# KiCad board goose_reversible_pcb_routed.kicad_pcb
title: goose; rev: v1.0.0; company: Unknown
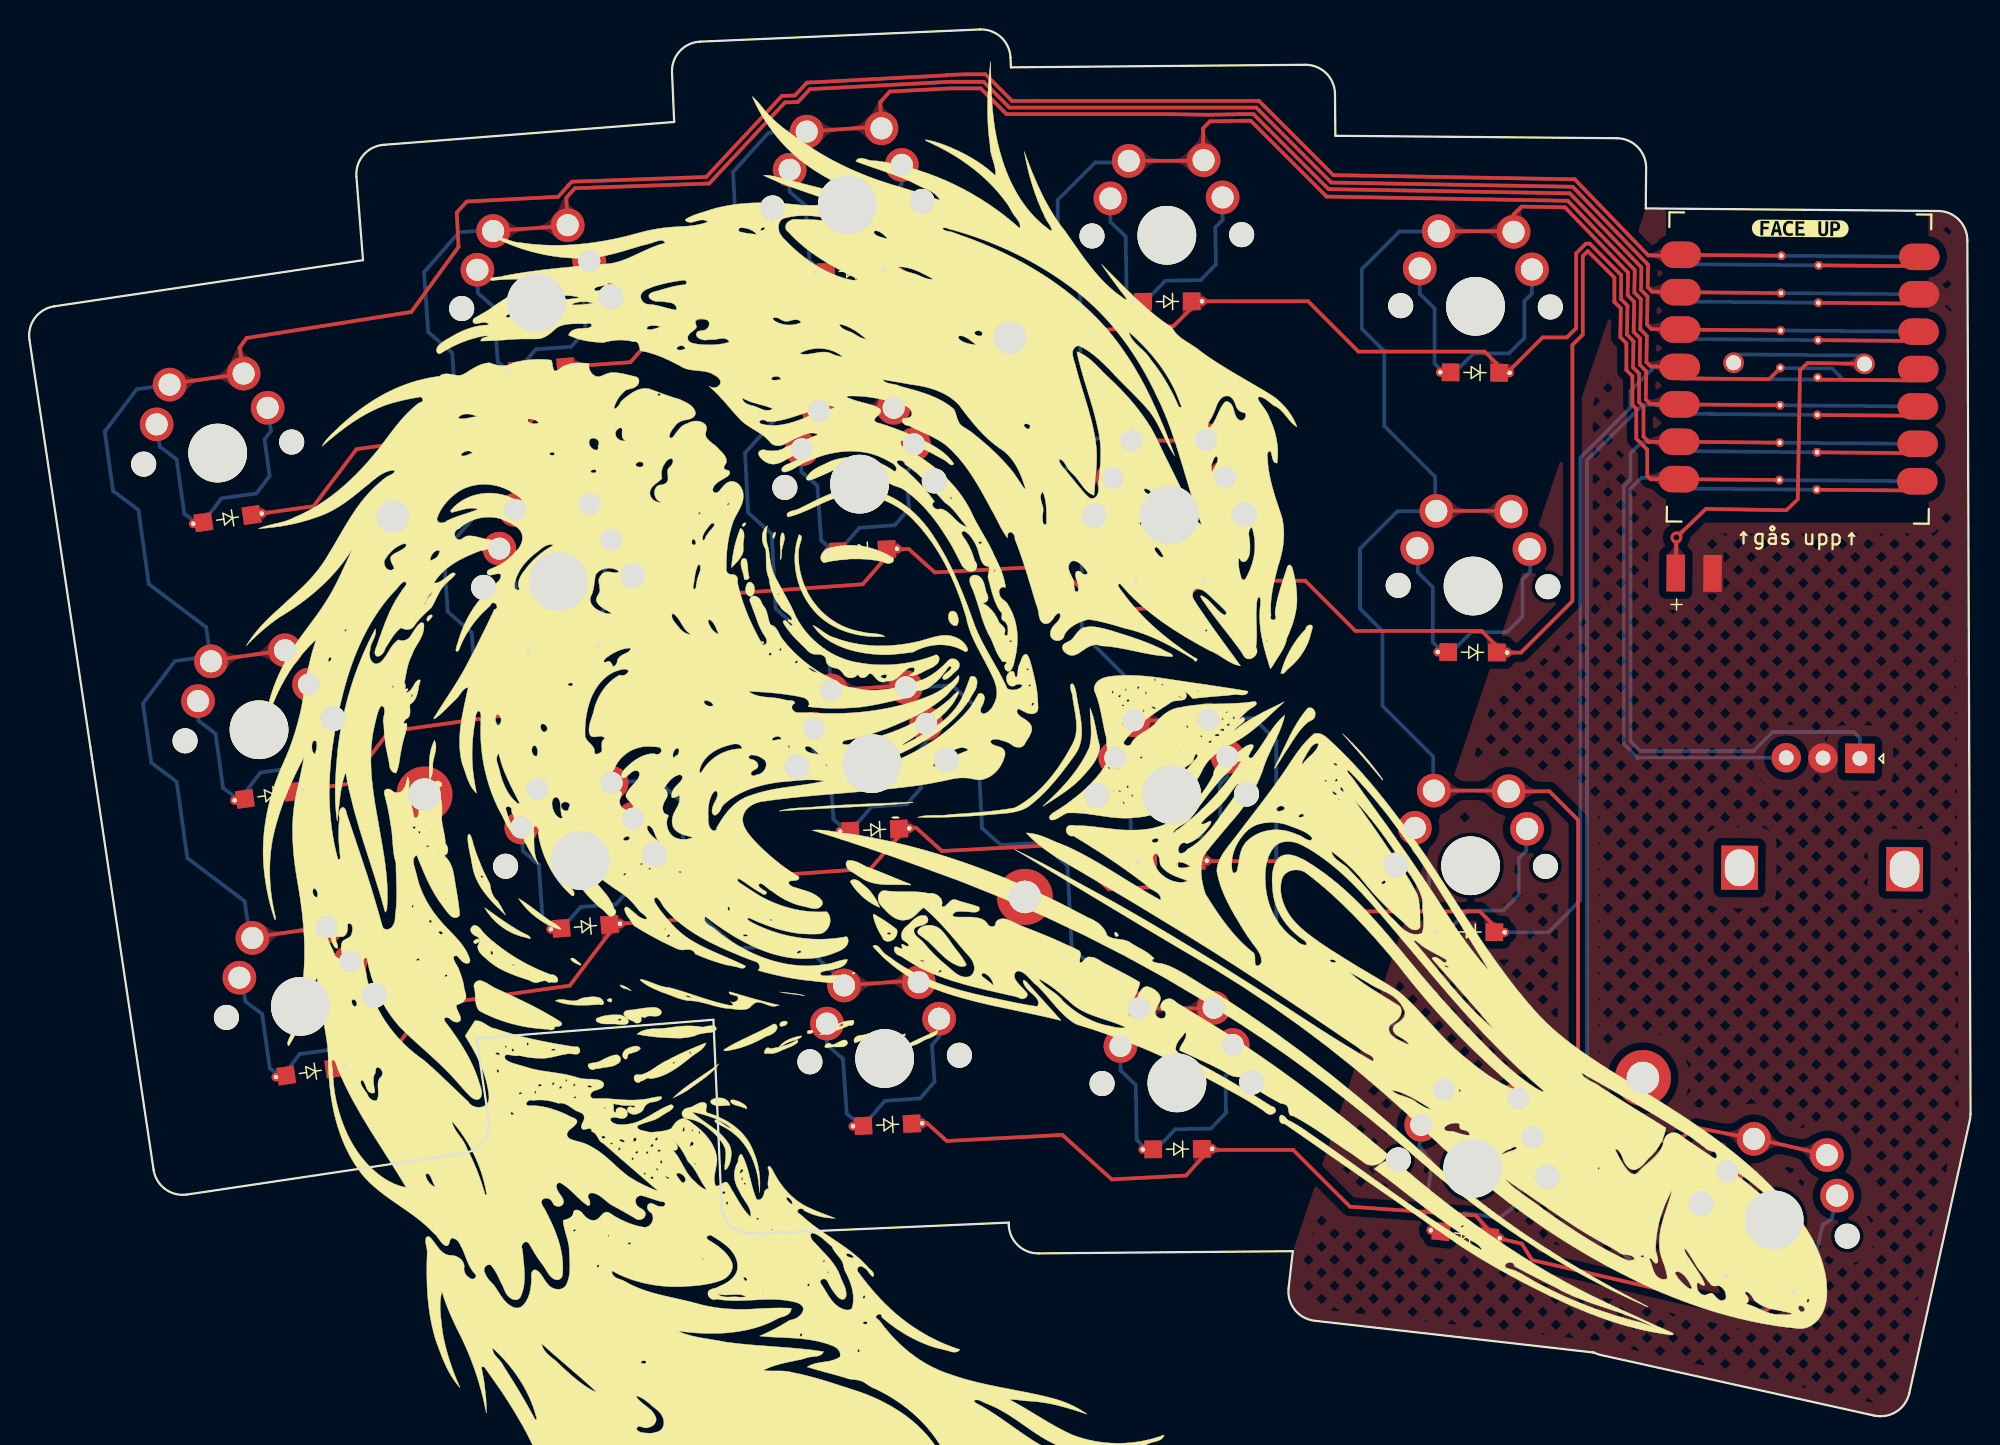
[diagram p0: board, top side]
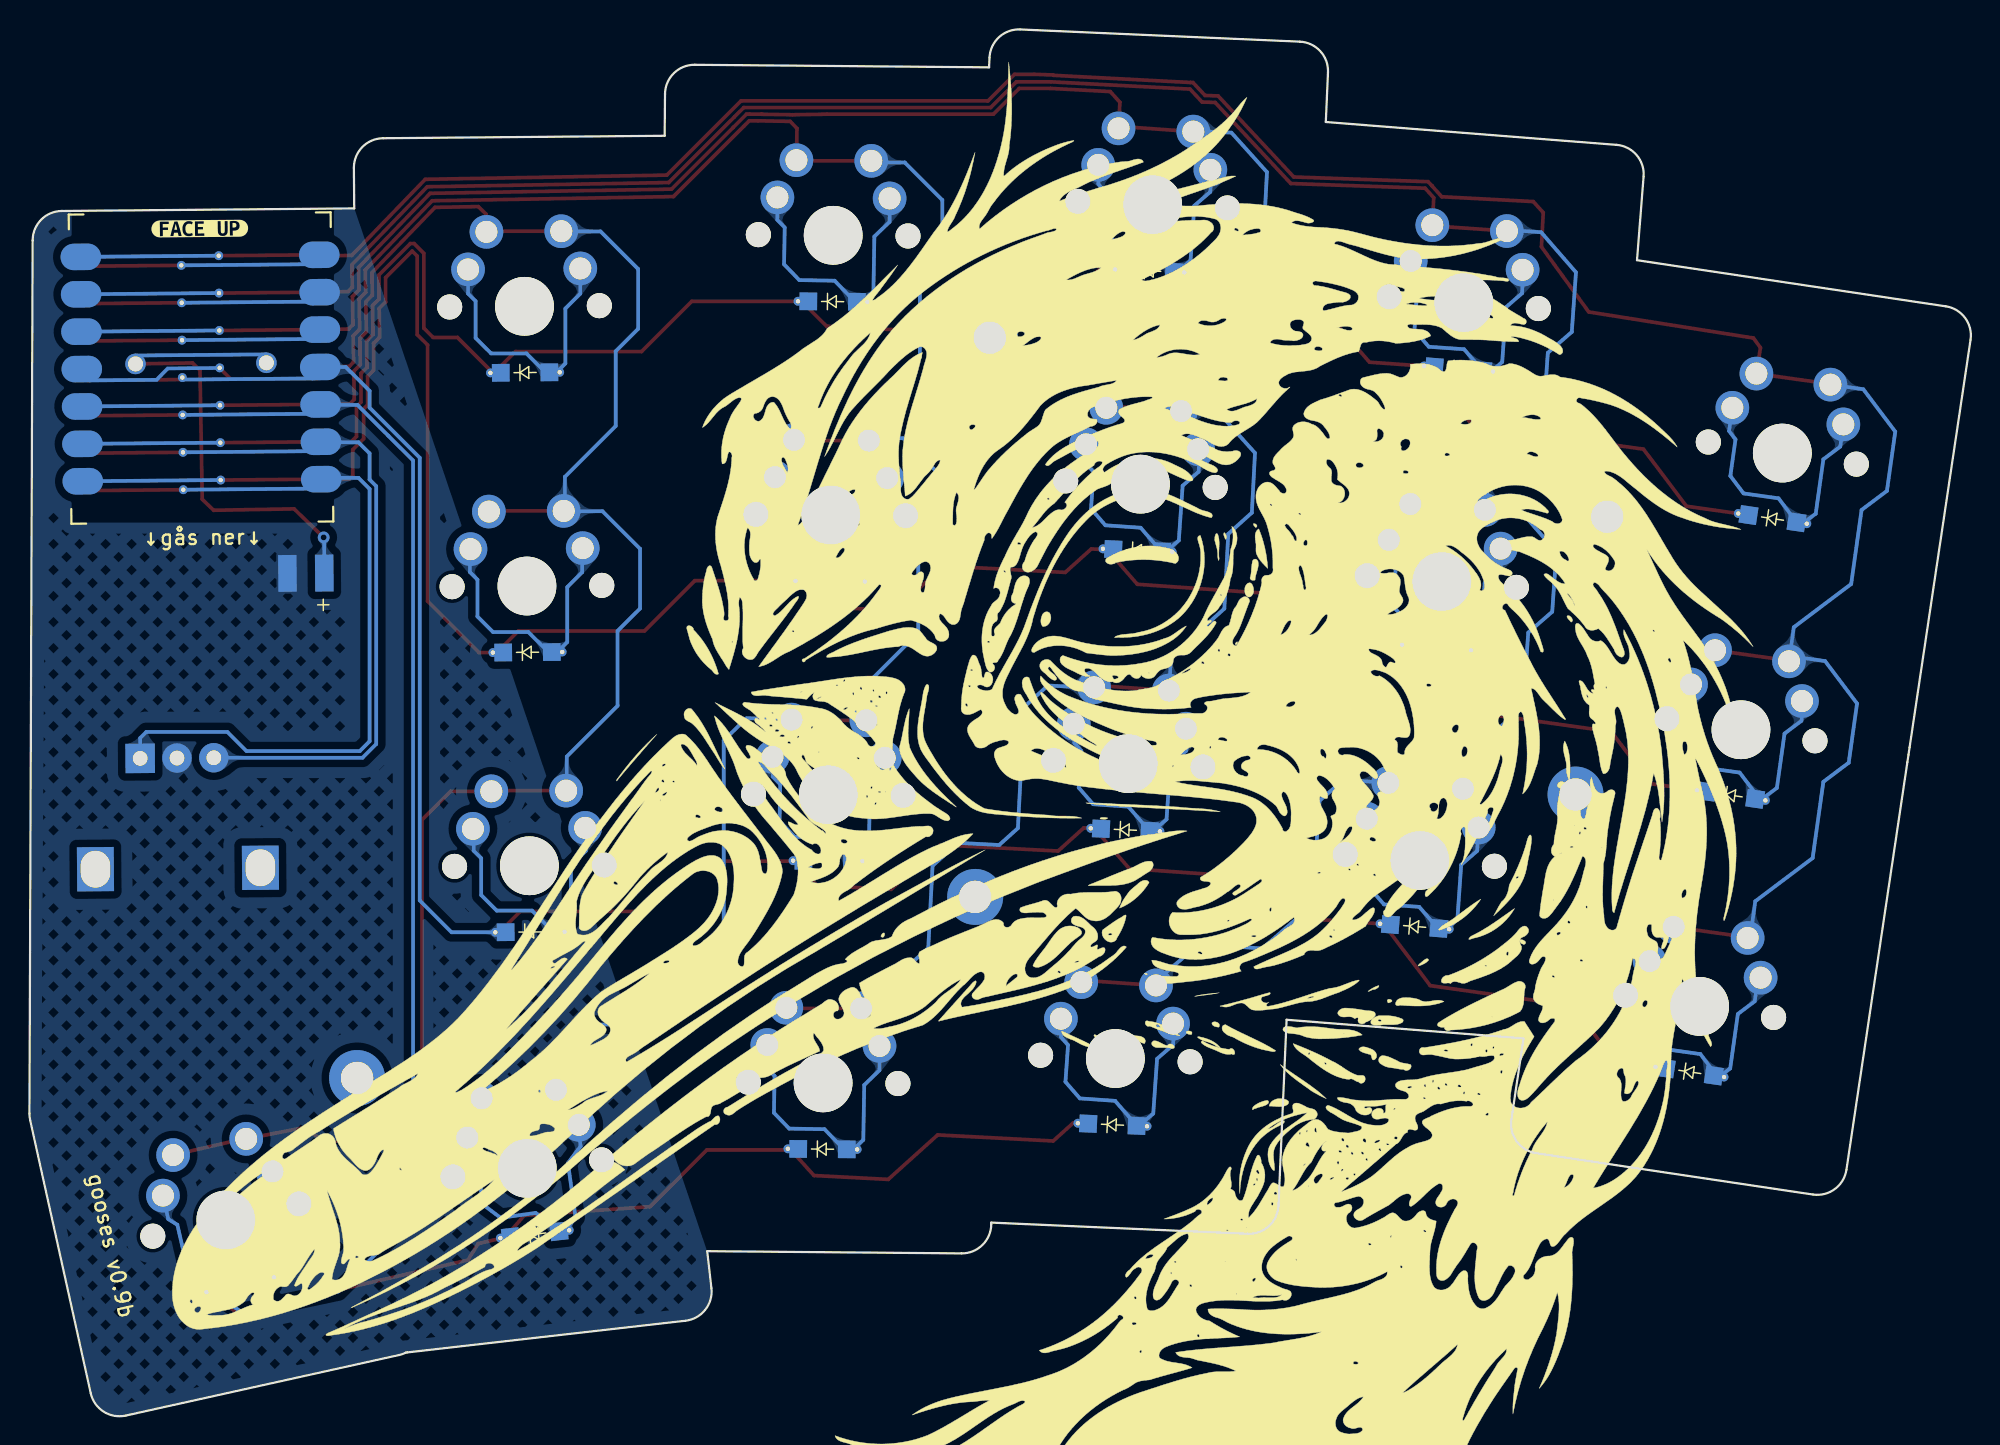
[diagram p1: board, bottom side, seen from below]

Outline 131.78 x 94.15 mm; copper layers: Top, Bottom. Coordinates in mm from the lower left corner of the outline.
Outline path: 0,73.07 arc(0.37,74.56) 1.68,75.34 22.64,78.48 22.2,84.16 arc(22.67,85.62) 24.03,86.31 43.77,87.86 43.62,91.23 arc(44.15,92.67) 45.53,93.32 64.51,94.15 arc(65.95,93.63) 66.6,92.24 66.63,91.57 86.61,91.75 arc(88.03,91.18) 88.63,89.77 88.65,86.93 107.77,86.76 arc(109.18,86.16) 109.75,84.74 109.73,81.99 129.58,81.82 arc(130.98,81.23) 131.56,79.83 131.78,20.51 arc(131.76,20.29) 131.73,20.07 127.62,1.52 arc(126.74,0.27) 125.23,0 106.68,4.11 arc(106.44,4.18) 106.21,4.28 arc(106.16,4.28) 106.12,4.29 87.24,6.44 arc(85.9,7.18) 85.48,8.65 85.77,11.17 68.5,11.01 arc(67.08,11.59) 66.48,13 66.48,13.11 49.07,12.35 arc(47.63,12.87) 46.98,14.26 46.43,26.88 30.35,25.62 31.17,20.1 arc(30.8,18.61) 29.49,17.82 10.7,15.01 arc(9.21,15.38) 8.43,16.7 4.29,44.39 4.14,45.38 0,73.07
Stack: Top 0.035mm / dielectric 1.51mm FR4 er 4.5 / Bottom 0.035mm

## Placement (name value [footprint] x y rotation side)
Di1  -  [SOD-123-DiodeVia]  19.06 23.34 188.5 bottom
Di2  -  [SOD-123-DiodeVia]  16.25 42.13 188.5 bottom
Di3  -  [SOD-123-DiodeVia]  13.44 60.92 188.5 bottom
Di4  -  [SOD-123-DiodeVia]  37.74 33.22 184.5 bottom
Di5  -  [SOD-123-DiodeVia]  36.25 52.16 184.5 bottom
Di6  -  [SOD-123-DiodeVia]  34.76 71.1 184.5 bottom
Di7  -  [SOD-123-DiodeVia]  57.38 39.79 182.5 bottom
Di8  -  [SOD-123-DiodeVia]  56.55 58.77 182.5 bottom
Di9  -  [SOD-123-DiodeVia]  55.72 77.75 182.5 bottom
Di10  -  [SOD-123-DiodeVia]  77.58 37.67 180.5 bottom
Di11  -  [SOD-123-DiodeVia]  77.42 56.67 180.5 bottom
Di12  -  [SOD-123-DiodeVia]  77.25 75.67 180.5 bottom
Di13  -  [SOD-123-DiodeVia]  97.8 32.84 179.5 bottom
Di14  -  [SOD-123-DiodeVia]  97.96 51.84 179.5 bottom
Di15  -  [SOD-123-DiodeVia]  98.13 70.84 179.5 bottom
Di16  -  [SOD-123-DiodeVia]  58.25 19.75 182.5 bottom
Di17  -  [SOD-123-DiodeVia]  77.94 18.1 180.5 bottom
Di18  -  [SOD-123-DiodeVia]  97.47 12.32 173.5 bottom
Di19  -  [SOD-123-DiodeVia]  117.47 8.89 167.5 bottom
H1  -  [mounting_hole]  24.67 61.05 6.5 top
H2  -  [mounting_hole]  26.82 42.18 6.5 top
H3  -  [mounting_hole]  66.58 73.21 1.5 top
H4  -  [mounting_hole]  67.57 35.23 1.5 top
H5  -  [mounting_hole]  109.53 22.93 350.5 top
MCU1  -  [xiao-reversible-smd]  120.13 71.15 359.5 top
PAD1  -  [pads]  113.01 57.21 359.5 top
ROT1  -  [RotaryEncoder_Alps_EC12E_Vertical_H20mm]  124.26 44.64 269.5 top
S1  -  [MX]  18.39 27.79 8.5 top
S2  -  [MX]  15.59 46.58 8.5 top
S3  -  [MX]  12.78 65.37 8.5 top
S4  -  [MX]  37.39 37.71 4.5 top
S5  -  [MX]  35.9 56.65 4.5 top
S6  -  [MX]  34.41 75.59 4.5 top
S7  -  [MX]  57.18 44.28 2.5 top
S8  -  [MX]  56.35 63.26 2.5 top
S9  -  [MX]  55.53 82.25 2.5 top
S10  -  [MX]  77.54 42.17 0.5 top
S11  -  [MX]  77.38 61.17 0.5 top
S12  -  [MX]  77.21 80.17 0.5 top
S13  -  [MX]  97.84 37.34 359.5 top
S14  -  [MX]  98 56.34 359.5 top
S15  -  [MX]  98.17 75.34 359.5 top
S16  -  [MX]  58.06 24.25 2.5 top
S17  -  [MX]  77.9 22.6 0.5 top
S18  -  [MX]  97.98 16.79 353.5 top
S19  -  [MX]  118.44 13.28 347.5 top

## Footprints (pads in the part's own frame, mm; a bottom-side part is the same pattern mirrored in y, then rotated)
mounting_hole
  round 3.8 hole 2.2: (0,0)
MX
  round 1.702 hole 1.702 unplated: (-5.08,0) (5.08,0)
  round 3.988 hole 3.988 unplated: (0,0)
  round 2.286 hole 1.499: 1(-2.54,5.08) 1(2.54,5.08) 2(-3.81,2.54) 2(3.81,2.54)
pads
  rect 1.25x2.5 smd: 1(-1.25,0) 2(1.25,0)
  rect 1.25x2.5 smd far side: 1(-1.25,0) 2(1.25,0)
RotaryEncoder_Alps_EC12E_Vertical_H20mm
  rect 2x2 hole 1: A(0,0)
  round 2 hole 1: B(0,-5) C(0,-2.5)
  rect 3x2.5 hole 2.5x2: MP(7.5,3.1) MP(7.5,-8.1)
SOD-123-DiodeVia
  round 0.6 hole 0.3: 1(-2.35,0) 2(2.35,0)
  rect 1.2x1.2 smd far side: 1(-1.65,0) 2(1.65,0)
  rect 1.2x1.2 smd: 1(-1.65,0) 2(1.65,0)
xiao-reversible-smd
  oval 2.75x1.8 smd: 1(-7.62,7.62) 2(-7.62,5.08) 3(-7.62,2.54) 4(-7.62,0) 5(-7.62,-2.54) 6(-7.62,-5.08) 7(-7.62,-7.62) 8(7.62,-7.62) 9(7.62,-5.08) 10(7.62,-2.54) 11(7.62,0) 12(7.62,2.54) 13(7.62,5.08) 14(7.62,7.62)
  rect 7x0.25 smd: 1(-4.572,7.62) 2(-4.572,5.08) 3(-4.65,2.54) 5(-4.572,-2.54) 6(-4.572,-5.08) 7(-4.572,-7.62) 8(4.699,-8.255) 9(4.699,-5.715) 10(4.699,-3.175) 12(4.699,1.905) 13(4.699,4.445) 14(4.699,6.985)
  round 0.6 hole 0.3: 1(-1.27,7.62) 2(-1.27,5.08) 3(-1.27,2.54) 4(-1.27,0) 5(-1.27,-2.54) 6(-1.27,-5.08) 7(-1.27,-7.62) 8(1.27,-8.255) 9(1.27,-5.715) 10(1.27,-3.175) 11(1.27,-0.635) 12(1.27,1.905) 13(1.27,4.445) 14(1.27,6.985)
  rect 9x0.25 smd far side: 1(3.048,7.62) 2(3.048,5.08) 3(3.048,2.54) 5(3.048,-2.54) 6(3.048,-5.08) 7(3.048,-7.62) 8(-3.175,-8.255) 9(-3.175,-5.715) 10(-3.175,-3.175) 11(-3.237,-0.775) 12(-3.175,1.905) 13(-3.175,4.445) 14(-3.175,6.985) 19(0,0.889)
  oval 2.75x1.8 smd far side: 1(7.616,7.62) 2(7.616,5.08) 3(7.616,2.54) 4(7.616,0) 5(7.616,-2.54) 6(7.616,-5.08) 7(7.616,-7.62) 8(-7.624,-7.62) 9(-7.624,-5.08) 10(-7.624,-2.54) 11(-7.624,0) 12(-7.624,2.54) 13(-7.624,5.08) 14(-7.624,7.62)
  rect 6x0.25 smd: 4(-4.975,-0.775)
  rect 1.176x0.25 smd rot 45: 4(-1.647,-0.396)
  rect 3.498x0.242 smd far side: 4(0.561,-0.009)
  rect 1.182x0.25 smd far side rot 135: 4(2.637,-0.394)
  rect 4.622x0.25 smd far side: 4(5.278,-0.775)
  rect 6.5x0.25 smd: 11(4.525,-0.775)
  round 1.397 hole 1.016: 19(-4.445,0.317) 19(4.441,0.317)

## Nets
3V3: MCU1.12
5V: MCU1.14
GND: MCU1.13 PAD1.2 ROT1.C
BAT+: MCU1.19 PAD1.1
C0: MCU1.1 S1.1 S2.1 S3.1
C0_R0: Di3.2 S3.2
C0_R1: Di2.2 S2.2
C0_R2: Di1.2 S1.2
C1: MCU1.2 S4.1 S5.1 S6.1 S16.1
C1_R0: Di6.2 S6.2
C1_R1: Di5.2 S5.2
C1_R2: Di4.2 S4.2
C1_R3: Di16.2 S16.2
C2: MCU1.3 S7.1 S8.1 S9.1 S17.1
C2_R0: Di9.2 S9.2
C2_R1: Di8.2 S8.2
C2_R2: Di7.2 S7.2
C2_R3: Di17.2 S17.2
C3: MCU1.4 S10.1 S11.1 S12.1 S18.1
C3_R0: Di12.2 S12.2
C3_R1: Di11.2 S11.2
C3_R2: Di10.2 S10.2
C3_R3: Di18.2 S18.2
C4: MCU1.5 S13.1 S14.1 S15.1 S19.1
C4_R0: Di15.2 S15.2
C4_R1: Di14.2 S14.2
C4_R2: Di13.2 S13.2
C4_R3: Di19.2 S19.2
ENCA: MCU1.8 ROT1.A
ENCB: MCU1.9 ROT1.B
R0: Di3.1 Di6.1 Di9.1 Di12.1 Di15.1 MCU1.6
R1: Di2.1 Di5.1 Di8.1 Di11.1 Di14.1 MCU1.7
R2: Di1.1 Di4.1 Di7.1 Di10.1 Di13.1 MCU1.11
R3: Di16.1 Di17.1 Di18.1 Di19.1 MCU1.10

Pads without a net: ROT1 MP

## Via types
v1: diameter 0.8, hole 0.4, Top to Bottom, 1 via

## Routing (per net, layer and track width the routed paths; a pad name or vN(x,y) marks a point on that pad's centre or on a via; arc(x,y) is an arc through that point)
BAT+: length 27.5
  Top w0.25: PAD1.1 v1(111.8,59.65) 113.81,61.59 119.27,61.49 120.05,62.24 120.2,71 120.72,71.5 120.72,71.5 MCU1.19
  Bottom w0.25: v1(111.8,59.65) 111.76,59.6 PAD1.1
C0: length 177.7
  Top w0.25: S1.1 15.17,32.49 ; S2.1 12.36,51.28 ; 112.5,78.76 109.9,78.8 104.91,83.97 88.51,84.26 83.47,89.29 66.71,89.29 64.9,91.1 63.57,91.1 62.28,91.06 62.25,91.03 52.97,90.55 52.78,90.54 51.97,89.66 51.08,89.63 45.94,84.13 36.82,83.81 36.57,83.54 36.57,83.53 35.9,82.78 29.68,82.46 29.01,81.71 29.13,79.38 25.92,74.96 14.74,73.19 14.26,72.53 S3.1 9.55,70.07
  Bottom w0.25: 14.92,32.77 14.61,34.93 10.72,37.87 9.99,43.05 8.27,44.34 7.7,48.37 9.87,51.25 12.11,51.56 ; S2.1 12,53.54 8.1,56.48 7.4,61.51 5.68,62.81 5.11,66.83 7.28,69.71 S3.1
C0_R0: length 18.5
  Bottom w0.25: Di3.2 13.03,62.3 15.41,62.63 16.31,63.83 15.96,66.3 16.39,66.88 S3.2 ; 11.37,60.61 10.51,61.26 9.99,64.95 8.85,65.81 S3.2
C0_R1: length 18.5
  Bottom w0.25: 11.27,48.69 11.48,47.18 12.63,46.32 13.15,42.63 14,41.98 ; 18.81,49.82 19.03,48.25 18.59,47.67 18.94,45.2 18.05,44.01 15.67,43.67 14.45,42.05
C0_R2: length 18.5
  Bottom w0.25: 21.48,30.7 21.7,29.13 21.26,28.55 21.61,26.08 20.71,24.89 18.34,24.55 17.12,22.93 ; 17.17,22.94 16.32,23.58 15.8,27.27 14.65,28.14 14.44,29.65
C1: length 181.6
  Top w0.25: MCU1.2 110.15,76.34 109.86,76.64 109.89,78.16 104.77,83.46 88.38,83.75 83.92,88.21 83.28,88.84 66.52,88.84 64.77,90.59 62.45,90.59 52.99,90.1 52.17,89.22 51.28,89.19 46.15,83.68 37.02,83.36 36.44,82.72 S6.1 ; S16.1 60.23,29.56 ; S5.1 37.99,61.87 ; S6.1 36.5,80.81 ; S4.1 39.48,42.92
  Bottom w0.25: 31.4,80.53 29.15,80.37 26.79,77.65 27.07,73.6 28.7,72.19 29.05,67.12 32.73,63.92 32.89,61.59 ; 32.73,61.53 30.48,61.37 28.12,58.65 28.4,54.6 30.03,53.18 30.38,48.11 34.06,44.91 34.22,42.59 ; 55.28,29.51 52.39,32.03 48.08,31.72 44.69,34.67 44.19,41.76 42.56,43.18 S4.1
C1_R0: length 18.5
  Bottom w0.25: 32.6,70.86 31.79,71.56 31.53,75.28 30.45,76.22 30.35,77.74 ; 37.94,78.34 38.05,76.76 37.58,76.22 37.75,73.72 36.78,72.59 34.38,72.43 33.05,70.9
C1_R1: length 18.5
  Bottom w0.25: 39.39,59.6 39.5,58.02 39.03,57.48 39.21,54.98 38.23,53.86 35.84,53.69 34.5,52.16 ; 34.05,52.12 33.25,52.83 32.99,56.55 31.9,57.49 31.8,59.01
C1_R2: length 18.5
  Bottom w0.25: 33.39,39.87 33.5,38.35 34.58,37.41 34.84,33.69 35.65,32.98 ; 40.99,40.47 41.1,38.88 40.62,38.34 40.8,35.84 39.82,34.72 37.43,34.55 36.1,33.02
C1_R3: length 18.5
  Bottom w0.25: 61.63,27.29 61.74,25.71 61.27,25.16 61.44,22.67 60.47,21.54 58.07,21.38 56.74,19.84 ; 56.29,19.81 55.48,20.51 55.22,24.23 54.14,25.17 54.04,26.69
C2: length 166.3
  Top w0.25: S9.1 57.7,87.55 ; S8.1 58.53,68.57 ; S7.1 59.36,49.59 ; MCU1.3 110.11,73.8 109.81,74.1 109.85,76.01 109.41,76.46 109.43,77.99 104.57,83.02 88.19,83.3 83.99,87.5 83.1,88.39 82.08,88.39 82.08,88.39 79.97,88.35 77.62,88.39 66.33,88.39 64.58,90.14 62.46,90.14 58.4,89.93 57.75,89.2 S9.1 ; S17.1 80.35,27.65
  Bottom w0.25: 59.59,49.43 62.63,49.59 64.24,48.14 64.67,39.9 65.94,38.75 68.73,38.9 70.47,37.34 70.76,31.76 S17.1 ; 53.24,68.18 50.99,68.06 48.58,65.38 48.79,61.32 50.39,59.88 50.66,54.81 54.28,51.55 54.4,49.22 ; 53.59,68.29 53.47,70.62 49.84,73.88 49.58,78.96 47.98,80.4 47.76,84.46 50.18,87.14 52.43,87.26
C2_R0: length 18.5
  Bottom w0.25: 53.76,77.76 52.95,78.46 52.69,82.18 51.61,83.12 51.5,84.64 ; 59.1,85.24 59.21,83.66 58.74,83.11 58.91,80.61 57.93,79.49 55.54,79.32 54.21,77.79
C2_R1: length 18.5
  Bottom w0.25: 54.56,58.74 53.75,59.44 53.49,63.16 52.41,64.1 52.3,65.62 ; 55.01,58.77 56.34,60.3 58.73,60.47 59.71,61.59 59.53,64.09 60.01,64.64 59.9,66.22
C2_R2: length 18.5
  Bottom w0.25: 60.73,47.27 60.84,45.69 60.37,45.15 60.54,42.65 59.57,41.52 57.17,41.36 55.84,39.83 ; 53.14,46.67 53.24,45.15 54.32,44.21 54.58,40.49 55.39,39.79
C2_R3: length 18.5
  Bottom w0.25: 75.94,17.98 75.17,18.72 75.1,22.45 74.07,23.45 74.05,24.97 ; 76.39,17.99 77.8,19.45 80.2,19.49 81.23,20.56 81.19,23.07 81.69,23.59 81.66,25.17
C3: length 150.6
  Top w0.25: S12.1 79.67,87.43 80.13,87.91 82.33,87.94 82.91,87.94 83.28,87.57 87.93,82.93 88.05,82.8 104.44,82.51 108.98,77.81 108.95,76.29 109.39,75.83 109.36,73.79 109.8,73.33 109.77,71.56 110.06,71.26 MCU1.4 ; S18.1 101.03,21.51 ; S10.1 80,47.23 ; S12.1 79.66,85.22 ; S11.1 79.83,66.22
  Bottom w0.25: 74.88,47.38 74.88,49.72 71.43,53.17 71.43,58.25 69.91,59.77 69.91,63.84 72.46,66.38 74.72,66.38 ; 80.04,47.31 83.09,47.36 84.65,45.86 84.65,30.64 88.73,26.56 93.44,26.56 96.03,23.96 S18.1 ; 74.61,85.11 72.35,85.11 69.8,82.56 69.8,78.5 71.33,76.98 71.33,71.9 74.78,68.45 74.78,66.11
C3_R0: length 18.5
  Bottom w0.25: 75.25,75.61 74.48,76.35 74.42,80.08 73.39,81.08 73.36,82.6 ; 75.7,75.62 77.11,77.08 79.51,77.12 80.55,78.2 80.5,80.7 81,81.22 80.98,82.8
C3_R1: length 18.5
  Bottom w0.25: 75.43,56.46 74.66,57.2 74.6,60.93 73.57,61.93 73.54,63.45 ; 81.16,63.65 81.18,62.07 80.68,61.55 80.73,59.05 79.69,57.97 77.29,57.93 75.88,56.47
C3_R2: length 18.5
  Bottom w0.25: 75.56,37.79 74.79,38.54 74.72,42.26 73.69,43.26 73.67,44.78 ; 76.01,37.8 77.42,39.26 79.82,39.3 80.85,40.38 80.81,42.88 81.31,43.4 81.28,44.98
C3_R3: length 18.5
  Bottom w0.25: 95.79,12.54 97.41,13.76 99.79,13.43 100.98,14.33 101.33,16.8 101.9,17.24 102.12,18.81 ; 94.57,19.8 94.36,18.29 95.22,17.15 94.7,13.46 95.35,12.6
C4: length 129.8
  Top w0.25: S15.1 100.71,80.45 ; S19.1 113.14,19.56 111.59,18.51 107.1,19.39 105.13,21.36 105.13,40.46 103.19,42.4 S13.1 ; S19.1 117.12,18.83 ; MCU1.5 110.02,68.72 109.73,69.02 109.76,70.93 109.32,71.38 109.35,73.15 108.91,73.61 108.94,75.65 108.5,76.11 108.53,77.63 104.24,82.06 101.31,82.12 100.77,81.6 S15.1 ; S13.1 100.38,42.45 ; S14.1 100.54,61.45
  Bottom w0.25: 95.26,80.43 93,80.43 90.45,77.88 90.45,73.81 91.98,72.29 91.98,67.21 95.43,63.76 95.43,61.43 ; 95.3,42.43 95.3,44.76 91.85,48.21 91.85,53.29 90.33,54.81 90.33,58.88 92.88,61.43 95.13,61.43
C4_R0: length 18.5
  Bottom w0.25: 96.15,70.7 95.39,71.46 95.39,75.19 94.38,76.21 94.38,77.73 ; 102,77.8 102,76.21 101.49,75.7 101.49,73.2 100.44,72.14 98.04,72.14 96.6,70.71
C4_R1: length 18.5
  Bottom w0.25: 96.02,51.78 95.27,52.54 95.27,56.27 94.25,57.28 94.25,58.81 ; 101.87,58.87 101.87,57.29 101.36,56.78 101.36,54.27 100.31,53.22 97.91,53.22 96.47,51.79
C4_R2: length 18.5
  Bottom w0.25: 101.62,39.95 101.62,38.36 101.11,37.85 101.11,35.35 100.05,34.3 97.66,34.3 96.22,32.86 ; 94,39.88 94,38.36 95.01,37.35 95.01,33.62 95.77,32.86
C4_R3: length 18.5
  Bottom w0.25: 115.27,16.54 114.92,15.05 115.68,13.84 114.84,10.2 115.41,9.29 ; 122.71,14.89 122.35,13.34 121.74,12.96 121.17,10.52 119.91,9.73 117.57,10.27 115.85,9.2
ENCA: length 39.1
  Bottom w0.25: ROT1.A 124.26,46.01 123.85,46.43 118.34,46.43 117.04,45.13 109.35,45.13 108.69,45.8 108.69,62.94 109.44,63.69 112.35,63.69
ENCB: length 35.4
  Bottom w0.25: 112.43,66.1 109.44,66.1 108.69,65.35 108.69,63.58 108.24,63.13 108.24,45.61 109.16,44.68 ROT1.B
R0: length 125.7
  Top w0.25: 100.31,70.82 102.72,73.23 104.37,73.23 105,73.86 105,78.94 105.67,79.6 105.92,79.6 108.05,77.47 108.05,76.19 108.05,75.93 108.05,75.83 108.49,75.39 108.45,73.43 108.89,72.97 108.86,71.21 108.86,71.19 109.28,70.77 109.27,70.77 109.27,68.83 109.57,68.53 109.57,66.5 109.93,66.14 MCU1.6 ; 15.52,61.23 19.28,61.76 22.21,65.64 33.84,67.28 36.85,71.27 40.8,71.55 43.26,74.37 55.55,75.23 57.82,77.84 59.07,77.91 60.84,76.31 69.47,76.76 72.82,73.74 77.66,74 79.35,75.68 86.81,75.68 90.22,72.27 98.78,72.27 100.23,70.82
R1: length 143.8
  Top w0.25: 100.03,51.85 98.59,53.29 90.02,53.29 86.61,56.71 79.15,56.71 ; 58.06,58.78 59.69,58.86 61.46,57.27 69.7,57.7 73.06,54.68 77.9,54.93 79.59,56.62 ; MCU1.7 110.06,63.6 109.83,63.83 109.83,65.61 109.09,66.35 109.09,68.38 108.82,68.64 108.82,70.6 108.41,71 108.41,72.82 108.41,72.83 108,73.25 108.03,75.2 107.6,75.64 107.6,77.29 105.79,79.1 105.45,78.76 105.45,73.42 104.75,72.72 104.75,55.32 101.25,51.83 100.06,51.83 ; 18.33,42.44 21.73,42.92 24.39,46.46 35.05,47.95 38.34,52.33 41.92,52.58 44.57,55.62 56.57,56.46 58.65,58.86
R2: length 137.5
  Top w0.25: 79.82,37.67 78.32,36.01 73.29,35.74 69.93,38.76 61.94,38.35 60.2,39.92 59.48,39.88 57.11,37.15 46.3,36.39 43.93,33.67 39.83,33.39 36.68,29.2 27.01,27.84 24.17,24.08 21.14,23.65 ; 79.03,37.66 86.48,37.66 89.89,34.24 98.46,34.24 99.9,32.8
  Bottom w0.25: MCU1.11 110.3,71.22 108.69,69.6 108.69,68.46 105.28,65.06 105.28,34.99 103.12,32.83 99.9,32.83
R3: length 141.5
  Top w0.25: 99.56,12.08 101.31,11.68 102.01,10.56 117.6,6.96 119.45,8.12 119.52,8.44 ; 80,17.96 78.52,16.3 73.47,16.04 70.12,19.06 62.27,18.65 60.91,19.88 60.35,19.85 ; 80.11,18.04 85.79,18.04 89.64,14.19 98.19,13.59 99.53,12.05
  Bottom w0.25: 112.45,68.64 109.5,68.64 107.41,66.55 105.73,64.87 105.73,13.62 107.98,11.37 107.98,11.26 110.81,8.43 117.36,7.03 119.52,8.44

## Copper pours and planes (outline as drawn; the poured copper is in the pictures)
GND on Top, Bottom: 131.47,81.71 131.85,20.37 127.28,-0.2 124.99,-0.33 106.07,4.11 86.89,6.27 85.5,7.03 85.37,9.83 85.75,11.1 109.75,82.09 111.4,82.09

Small or netless copper shapes (teardrops, artwork), in the pictures only: 116 on Top, 120 on Bottom

## Text on the board
B.Silkscreen: ↓gås ner↓ | gooses v0.9b
F.Silkscreen: ↑gås upp↑
